# Altium PCB LimeSDR-XTRX_1v4.PcbDoc (part 1 of 8) (continued)
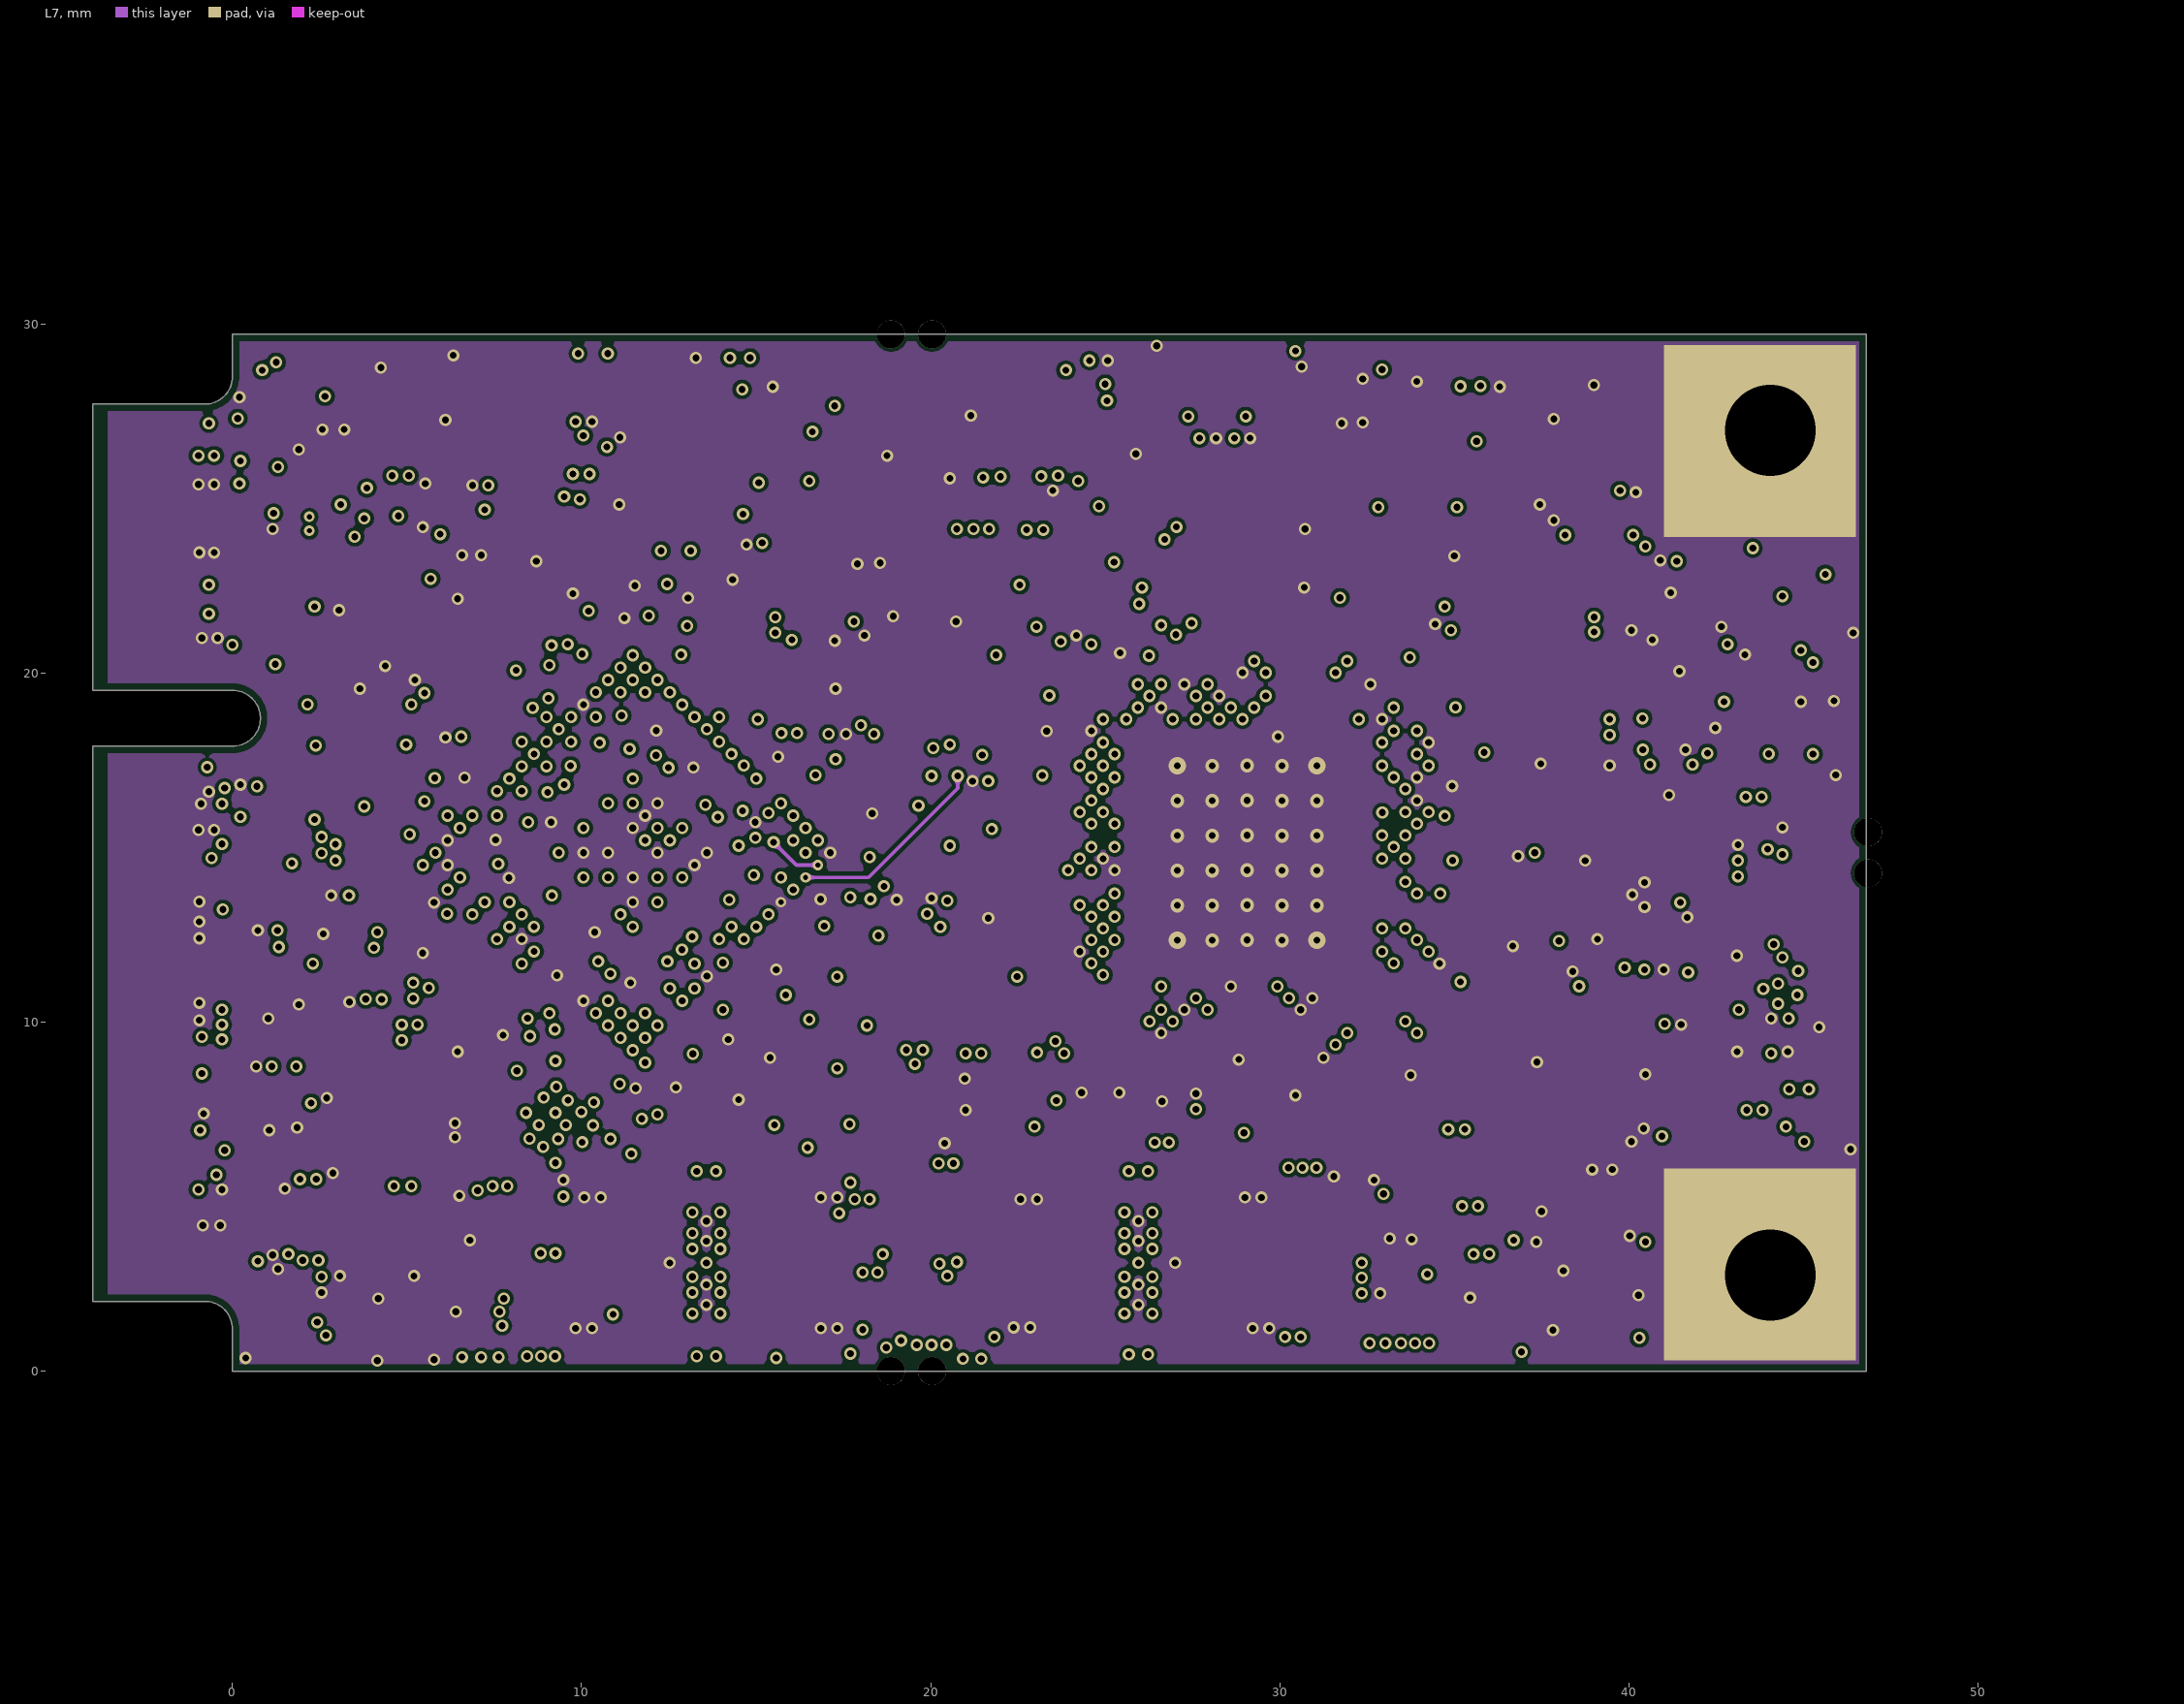
[diagram p7: L7]

## Layer stack, top to bottom
TopSolder: solder mask 0.0102, Solder Resist, Dk 3.5
Top: signal copper 0.0178
Dielectric1: core 0.1, FR-4, Dk 4.8
L2: signal copper 0.0356
Dielectric2: prepreg 0.1, FR-4, Dk 4.2
L3: signal copper 0.03
Dielectric3: core 0.1, FR-4, Dk 4.2
L4: signal copper 0.034
Dielectric 4: prepreg 0.1, Dk 4.2
L5: signal copper 0.03
Dielectric 10: core 0.1, Dk 4.2
L6: signal copper 0.03
Dielectric 11: prepreg 0.1, Dk 4.2
L7: signal copper 0.03
Dielectric 8: core 0.1, Dk 4.2
Bottom: signal copper 0.0178
BottomSolder: solder mask 0.0102, Solder Resist, Dk 3.5

## Board outline
-4,2 -4,17.9 0,17.9 ccw(c0,18.7) 0,19.5 -4,19.5 -4,27.7 -0.8,27.7 ccw(c-0.8,28.5) 0,28.5 0,29.7 46.8,29.7 46.8,0 0,0 0,1.2 ccw(c-0.8,1.2) -0.8,2

## Design rules (kind name [scope] priority, off if disabled: settings)
BoardOutlineClearance [All] p1: gap=0.2 ignorepadtopadclearanceinfootprint=FALSE
Clearance Clearance_FPGA_fanout [WithinRoom('FPGA_fanout')] p1: gap=0.076 ignorepadtopadclearanceinfootprint=FALSE
Clearance [All] p2: gap=0.1 ignorepadtopadclearanceinfootprint=FALSE
ComponentClearance ComponentClearance_MiniPCIE [HasFootprint('PCIe_MiniCard')] p1: gap=-1 collisioncheckmode=3 verticalgap=2540 showdistances=FALSE
ComponentClearance ComponentClearance_DIODE [HasFootprint('MAX40200ANS+_IDEAL_DIODE_4WLP') vs HasFootprint('SOT23-5_v1')] p2: gap=-1 collisioncheckmode=3 verticalgap=2540 showdistances=FALSE
ComponentClearance ComponentClearance_CLK_RES [InComponent('R63') or InComponent('R66') vs InComponent('R63') or InComponent('R66')] p3: gap=-1 collisioncheckmode=3 verticalgap=2540 showdistances=FALSE
ComponentClearance ComponentClearance_RF_SHIELD [InComponent('MECH*') or InComponent('J3')] p4: gap=-10 collisioncheckmode=3 verticalgap=2540 showdistances=FALSE
ComponentClearance [All] p5: gap=0.01 collisioncheckmode=3 verticalgap=0.254 showdistances=FALSE
DiffPairsRouting DiffPairsRouting_USB3 [InNetClass('FX3_DATA')] p1: maxlimit=0.3 minlimit=0.1 mostfreqgap=0.14 toplayer_minwidth=0.2 toplayer_maxwidth=0.2 toplayer_prefwidth=0.2 midlayer1_minwidth=0.2 midlayer1_maxwidth=0.2 midlayer1_prefwidth=0.2 midlayer2_minwidth=0.2 midlayer2_maxwidth=0.2 midlayer2_prefwidth=0.2 midlayer3_minwidth=0.2 midlayer3_maxwidth=0.2 midlayer3_prefwidth=0.2 midlayer4_minwidth=0.2 midlayer4_maxwidth=0.2 midlayer4_prefwidth=0.2 midlayer7_minwidth=0.2 midlayer7_maxwidth=0.2 midlayer7_prefwidth=0.2 midlayer9_minwidth=0.2 midlayer9_maxwidth=0.2 midlayer9_prefwidth=0.2 bottomlayer_minwidth=0.2 bottomlayer_maxwidth=0.2 bottomlayer_prefwidth=0.2 maxuncoupledlength=12.7
DiffPairsRouting DiffPairsRouting_USB3_XTAL [InNet('FX3_XTAL_N') or InNet('FX3_XTAL_P')] p2: maxlimit=0.2 minlimit=0.1 mostfreqgap=0.1 toplayer_minwidth=0.1 toplayer_maxwidth=0.4 toplayer_prefwidth=0.1 midlayer1_minwidth=0.1 midlayer1_maxwidth=0.4 midlayer1_prefwidth=0.1 midlayer2_minwidth=0.1 midlayer2_maxwidth=0.4 midlayer2_prefwidth=0.1 midlayer3_minwidth=0.1 midlayer3_maxwidth=0.4 midlayer3_prefwidth=0.1 midlayer4_minwidth=0.1 midlayer4_maxwidth=0.4 midlayer4_prefwidth=0.1 midlayer7_minwidth=0.1 midlayer7_maxwidth=0.4 midlayer7_prefwidth=0.1 midlayer9_minwidth=0.1 midlayer9_maxwidth=0.4 midlayer9_prefwidth=0.1 bottomlayer_minwidth=0.1 bottomlayer_maxwidth=0.4 bottomlayer_prefwidth=0.1 maxuncoupledlength=0.2
DiffPairsRouting DiffPairsRouting_TX_RF [InNetClass('TX_RF')] p3: maxlimit=0.14 minlimit=0.1 mostfreqgap=0.1 toplayer_minwidth=0.1 toplayer_maxwidth=0.2 toplayer_prefwidth=0.1 midlayer1_minwidth=0.1 midlayer1_maxwidth=0.2 midlayer1_prefwidth=0.1 midlayer2_minwidth=0.1 midlayer2_maxwidth=0.2 midlayer2_prefwidth=0.1 midlayer3_minwidth=0.1 midlayer3_maxwidth=0.2 midlayer3_prefwidth=0.1 midlayer4_minwidth=0.1 midlayer4_maxwidth=0.2 midlayer4_prefwidth=0.1 midlayer7_minwidth=0.1 midlayer7_maxwidth=0.2 midlayer7_prefwidth=0.1 midlayer9_minwidth=0.1 midlayer9_maxwidth=0.2 midlayer9_prefwidth=0.1 bottomlayer_minwidth=0.1 bottomlayer_maxwidth=0.2 bottomlayer_prefwidth=0.1 maxuncoupledlength=0.2
DiffPairsRouting DiffPairsRouting_RX_RF [InNetClass('RX_RF')] p4: maxlimit=0.3 minlimit=0.1 mostfreqgap=0.1 toplayer_minwidth=0.1 toplayer_maxwidth=0.3 toplayer_prefwidth=0.1 midlayer1_minwidth=0.1 midlayer1_maxwidth=0.3 midlayer1_prefwidth=0.1 midlayer2_minwidth=0.1 midlayer2_maxwidth=0.3 midlayer2_prefwidth=0.1 midlayer3_minwidth=0.1 midlayer3_maxwidth=0.3 midlayer3_prefwidth=0.1 midlayer4_minwidth=0.1 midlayer4_maxwidth=0.3 midlayer4_prefwidth=0.1 midlayer7_minwidth=0.1 midlayer7_maxwidth=0.3 midlayer7_prefwidth=0.1 midlayer9_minwidth=0.1 midlayer9_maxwidth=0.3 midlayer9_prefwidth=0.1 bottomlayer_minwidth=0.1 bottomlayer_maxwidth=0.3 bottomlayer_prefwidth=0.1 maxuncoupledlength=0.2
DiffPairsRouting [All] p5: maxlimit=0.3 minlimit=0.1 mostfreqgap=0.1 toplayer_minwidth=0.1 toplayer_maxwidth=0.5 toplayer_prefwidth=0.2 midlayer1_minwidth=0.1 midlayer1_maxwidth=0.5 midlayer1_prefwidth=0.2 midlayer2_minwidth=0.1 midlayer2_maxwidth=0.5 midlayer2_prefwidth=0.2 midlayer3_minwidth=0.1 midlayer3_maxwidth=0.5 midlayer3_prefwidth=0.2 midlayer4_minwidth=0.1 midlayer4_maxwidth=0.5 midlayer4_prefwidth=0.2 midlayer7_minwidth=0.1 midlayer7_maxwidth=0.5 midlayer7_prefwidth=0.2 midlayer9_minwidth=0.1 midlayer9_maxwidth=0.5 midlayer9_prefwidth=0.2 bottomlayer_minwidth=0.1 bottomlayer_maxwidth=0.5 bottomlayer_prefwidth=0.2 maxuncoupledlength=12.7
FabricationTestPointUsage TestPointUsage [All] p1: valid=0 allowmultiple=FALSE
FabricationTestpoint Testpoint [All] p1: side=3 testpointundercomponent=TRUE minsize=1.016 maxsize=2.54 preferedsize=1.524 minholesize=0.508 maxholesize=1.016 preferedholesize=0.813 testpointgrid=0.025 allowsidetop=TRUE allowsidebottom=TRUE usegrid=TRUE gridtolerance=0
HoleSize [All] p1: absolutevalues=TRUE maxlimit=10 minlimit=0.15 maxpercent=80.000 minpercent=20.000
HoleToHoleClearance [All] p1: gap=0.15 allowstackedmicrovias=TRUE
MatchedLengths MatchedLengths_FT_FIFO [InNetClass('FT_FIFO')] p1: tolerance=5 checknetsindiffpair=FALSE checkdiffpairvsdiffpair=TRUE checkxsignals=TRUE checkothers=TRUE
MatchedLengths MatchedLengths_LMS_PORT1 [InNetClass('LMS_PORT1')] p2: tolerance=7 checknetsindiffpair=FALSE checkdiffpairvsdiffpair=TRUE checkxsignals=TRUE checkothers=TRUE // tolerance increased due to MCLK being longer
MatchedLengths MatchedLengths_LMS_PORT2 [InNetClass('LMS_PORT2')] p3: tolerance=7.5 checknetsindiffpair=FALSE checkdiffpairvsdiffpair=TRUE checkxsignals=TRUE checkothers=TRUE // tolerance increased due to MCLK being longer
MinimumSolderMaskSliver [All] p1: minsoldermaskwidth=0.05
PlaneClearance [All] p1: clearance=0
PolygonConnect PolygonConnect_VCC3P3 [InNet('VCC3P3')] p1: connectstyle=Direct reliefconductorwidth=0.254 reliefentries=4 polygonreliefangle="90 Angle" airgapwidth=0.254
PolygonConnect PolygonConnect_GND_VIA [InNet('GND') and isvia] p2: connectstyle=Direct reliefconductorwidth=0.254 reliefentries=4 polygonreliefangle="90 Angle" airgapwidth=0.254
PolygonConnect PolygonConnect_GND_MMCX [HasFootprint('MMCX_UFL_CONN_V3_M') and IsPad and InNet('GND')] p3: connectstyle=Relief reliefconductorwidth=0.7 reliefentries=4 polygonreliefangle="90 Angle" airgapwidth=0.254
PolygonConnect PolygonConnect_GND [InNet('GND') and (OnTopLayer or OnBottomLayer)] p4: connectstyle=Relief reliefconductorwidth=0.254 reliefentries=4 polygonreliefangle="90 Angle" airgapwidth=0.254
PolygonConnect PolygonConnect_GND_inner [InNet('GND') and not (OnTopLayer or OnBottomLayer)] p5: connectstyle=Direct reliefconductorwidth=0.254 reliefentries=4 polygonreliefangle="90 Angle" airgapwidth=0.254
PolygonConnect PolygonConnect_VCC1P0_INT [InNet('VCC1P0_INT')] p6: connectstyle=Direct reliefconductorwidth=0.254 reliefentries=4 polygonreliefangle="90 Angle" airgapwidth=0.254
PolygonConnect PolygonConnect_2P05 [InNet('+2.05V')] p7: connectstyle=Direct reliefconductorwidth=0.254 reliefentries=4 polygonreliefangle="90 Angle" airgapwidth=0.254
PolygonConnect PolygonConnect_1P5 [InNet('+1.5V')] p8: connectstyle=Direct reliefconductorwidth=0.254 reliefentries=4 polygonreliefangle="90 Angle" airgapwidth=0.254
PolygonConnect PolygonConnect_VCC1P2_MGTAVTT [InNet('VCC1P2_MGTAVTT')] p9: connectstyle=Direct reliefconductorwidth=0.254 reliefentries=4 polygonreliefangle="90 Angle" airgapwidth=0.254
PolygonConnect PolygonConnect_VCC1P8 [InNet('VCC1P8')] p10: connectstyle=Direct reliefconductorwidth=0.254 reliefentries=4 polygonreliefangle="90 Angle" airgapwidth=0.254
PolygonConnect PolygonConnect_VCC1P8_LMS [InNet('VCC1P8_LMS')] p11: connectstyle=Direct reliefconductorwidth=0.254 reliefentries=4 polygonreliefangle="90 Angle" airgapwidth=0.254
PolygonConnect PolygonConnect_VDIO_LMS [InNet('VDIO_LMS')] p12: connectstyle=Direct reliefconductorwidth=0.254 reliefentries=4 polygonreliefangle="90 Angle" airgapwidth=0.254
PolygonConnect PolygonConnect_VDIO_LMS_FPGA [InNet('VDIO_LMS_FPGA')] p13: connectstyle=Direct reliefconductorwidth=0.254 reliefentries=4 polygonreliefangle="90 Angle" airgapwidth=0.254
PolygonConnect [All] p14: connectstyle=Relief reliefconductorwidth=0.254 reliefentries=4 polygonreliefangle="90 Angle" airgapwidth=0.254
RoutingVias [All] p1: holewidth=0.2 width=0.4 viastyle="Through Hole" minholewidth=0.15 minwidth=0.3 maxholewidth=4.5 maxwidth=5
SilkToSilkClearance [All] p1: silktosilkclearance=0.1
SilkToSolderMaskClearance SilkscreenOverComponentPads [IsPad] p1: minsilkscreentomaskgap=0.1 clearancetoexposedcopper=TRUE
SolderMaskExpansion [All] p1: expansion=0.05
Width Width_FPGA_fanout [WithinRoom('FPGA_fanout')] p1: maxlimit=5 minlimit=0.076 preferedwidth=0.127
Width Width_ClumsyConnection [All] p2: maxlimit=7 minlimit=0.1 preferedwidth=0.2 checkconnectedcopper=TRUE
Width [All] p3: maxlimit=5 minlimit=0.1 preferedwidth=0.2
20 further rules are at their usual default settings.

## Classes and differential pairs
net class VCC_CLK_SW: VCC_CLK_SW
net class VCC3P3_SW: VCC3P3_SW
net class VCC3P3_RF: VCC3P3_RF
net class VCC3P3_LMK: VCC3P3_LMK
net class VCC3P3_LMKRF: VCC1P8_LMK_VDDO
net class VCC3P3_LMK_VDDO: VCC3P3_LMK_VDDO
component class 10_Clock: C155 C156 C157 C159 C161 C165 C166 C168 C172 C173 C181 C184 C185 C192 C193 C194 C195 C196 C197 C198 C199 C200 C201 ESD6 ESD7 FR39 FR42 FR48 FR53 IC8 IC17 R1 R66 R67 R68 R69 R70 R71 R73 R74 R149 R151 R152 R153 R154 R155 X7 X14 XO1
net class +2.05V: +2.05V
net class VCC1P8: VCC1P8
net class SIM_CARD: UIM_CLK UIM_DIO UIM_RST UIM_VCC
net class VCC_CLK: VCC_CLK
net class VCC5P0_USB: VCC5P0_USB
net class VCC3P3: VCC3P3
net class VCC3P3_MPCIE: VCC3P3_MPCIE
net class VCC1P8_AUX: VCC1P8_AUX
net class VCC1P2_MGTAVTT: VCC1P2_MGTAVTT
net class VCC1P0_MGTAVCC: VCC1P0_MGTAVCC
net class VCC1P0_INT: VCC1P0_INT
net class +1.75V: +1.75V
net class +1.5V: +1.5V
net class BOM_VER: BOM_VER0 BOM_VER1 BOM_VER2
net class VCC3P3_CLK: VCC3P3_CLK
net class SIM_host: SIM_CLK SIM_DIO SIM_ENA SIM_MOD SIM_RST
net class USB_ULPI: NetIC19_E5 USB_26M USB_CLK USB_D0 USB_D1 USB_D2 USB_D3 USB_D4 USB_D5 USB_D6 USB_D7 USB_DIR USB_NRST USB_NXT USB_STP
component class 09_Misc: C158 C162 C163 C164 C167 C169 C170 C171 C174 C179 C180 C182 C183 C186 C187 C188 C189 C190 C191 ESD5 ESD8 F1 F2 F3 F4 F5 F6 F7 F8 FL1 FL2 FR36 FR37 FR38 FR40 FR41 IC9 IC11 IC13 IC16 IC18 IC19 IC20 L1 LED1 LED2 MECH1 MECH2 R52 R53 R54 R55 R72 R75 R76 R77 R78 R80 R81 R82 R83 R84 R85 R86 R87 R89 R91 R92 R93 R94 R95 R96 R97 R98 R99 R100 R101 R102 R103 R104 X5 X6 X10 X11 X12
component class 11_Power: C175 C176 C177 C178 C202 C203 C204 C205 C206 C207 C208 C209 C210 C211 C212 C213 C214 C215 C216 C217 C218 C219 C220 C221 C222 C223 C224 C225 C226 C227 C228 C229 C230 C231 C232 C233 FR43 FR44 FR45 FR46 FR47 FR49 FR50 FR51 FR52 FR54 IC21 IC22 IC23 IC24 IC25 IC26 IC27 IC28 IC29 IC30 IC31 IC32 IC33 L2 L3 L4 L5 L6 L7 L8 L9 R105 R106 R107 R108 R109 R110 R111 R112 R113 R114 R115 R116 R117 R118 R119 R120 R121 R122 R123 R124 R125 R126 R198 R199 R201 R202
net class USB: USB_D_N USB_D_P
net class PCIe: C0_N C0_P PCI_REF_CLK1_N PCI_REF_CLK1_P PCIE_REF_CLK_N PCIE_REF_CLK_P PCIE_RX0_N PCIE_RX0_P PCIE_RX1_N PCIE_RX1_P PCIE_TX0_N PCIE_TX0_P PCIE_TX1_N PCIE_TX1_P R0_N R0_P R1_N R1_P T0_N T0_P T1_N T1_P
component class 08_FPGA: C95 C96 C97 C98 C99 C100 C101 C102 C103 C104 C105 C106 C107 C108 C109 C110 C111 C112 C113 C114 C115 C116 C117 C118 C119 C120 C121 C122 C123 C124 C125 C126 C127 C128 C129 C130 C131 C132 C133 C134 C135 C136 C137 C138 C139 C140 C141 C142 C143 C144 C145 C146 C147 C148 C149 C150 C151 C152 C153 C154 IC7 R34 R35 R36 R37 R38 R39 R40 R41 R42 R43 R44 R45 R46 R47 R48 R49 R50 R51 TP1 TP2 TP3 X9
net class VDIO_LMS: VDIO_LMS
net class VCC1P8_LMS: VCC1P8_LMS
net class RF_RX: RX1_H RX1_H_A_N RX1_H_A_P RX1_H_B_N RX1_H_B_P RX1_L RX1_L_A_N RX1_L_A_P RX1_L_B_N RX1_L_B_P RX1_W RX1_W_A_N RX1_W_A_P RX1_W_B_N RX1_W_B_P RX2_H RX2_H_A_N RX2_H_A_P RX2_H_B_N RX2_H_B_P RX2_L RX2_L_A_N RX2_L_A_P RX2_L_B_N RX2_L_B_P RX2_W RX2_W_A_N RX2_W_A_P RX2_W_B_N RX2_W_B_P
net class RF_TX: TX1_1 TX1_1_A_N TX1_1_A_P TX1_1_B_N TX1_1_B_P TX1_2 TX1_2_A_N TX1_2_A_P TX1_2_B_N TX1_2_B_P TX2_1 TX2_1_A_N TX2_1_A_P TX2_1_B_N TX2_1_B_P TX2_2 TX2_2_A_N TX2_2_A_P TX2_2_B_N TX2_2_B_P
component class 07_LMS7002M_Power: C35 C36 C37 C38 C39 C40 C41 C42 C43 C44 C45 C46 C47 C48 C49 C50 C51 C52 C53 C54 C55 C56 C57 C58 C59 C60 C61 C62 C63 C64 C65 C66 C67 C68 C69 C70 C71 C72 C73 C74 C75 C76 C77 C78 C79 C80 C81 C82 C83 C84 C85 C86 C87 C88 C89 C90 C91 C92 C93 C94 FR5 FR6 FR7 FR8 FR9 FR10 FR11 FR12 FR13 FR14 FR15 FR16 FR17 FR18 FR19 FR20 FR21 FR22 FR23 FR24 FR25 FR26 FR27 FR28 FR29 FR30 FR31 FR32 FR33 FR34 FR35 FR55 R27 R28 R29 R30 R31 R32 R33
component class 06_LMS7002M_RF: C3 C4 C5 C6 C7 C8 C9 C10 C11 C12 C13 C14 C15 C16 C17 C18 C19 C20 C21 C22 C23 C24 C25 C26 C27 C28 C29 C30 C31 C32 C33 C34 ESD1 ESD2 ESD3 ESD4 FR1 FR2 FR3 FR4 IC3 IC4 IC5 IC6 MN1 MN2 MN3 MN4 MN5 MN6 MN7 MN8 MN9 MN10 MN11 MN12 MN13 MN14 MN15 MN16 MN17 MN18 MN19 MN20 MN21 MN22 MN23 MN24 MN25 MN26 MN27 MN28 MN29 MN30 MN31 MN32 MN33 MN34 MN35 MN36 MN37 MN38 MN39 MN40 MN41 MN42 MN43 MN44 MN45 MN46 MN47 MN48 MN49 MN50 MN51 MN52 MN53 MN54 MN100 MN101 MN102 MN103 R21 R22 R23 R24 R25 R26 T1 T2 T3 T4 T5 T6 T7 T8 T9 T10 X1 X2 X3 X4
net class CLK_PATH: CLK_IN CLK_IN_EXT CLK_XO FPGA_CLK GND LMK_CLKOUT1 LMK_CLKOUT4 LMS_RxPLL_CLK LMS_TxPLL_CLK NetC155_1 NetC156_2 NetC161_1 NetC281_1 NetIC8_17 NetIC8_18 PCIE_CLK_IN
component class 05_LMS7002M_Misc: C1 C2 IC1 IC2 R2 R3 R4 R5 R6 R7 R8 R9 R10 R11 R12 R13 R14 R15 R16 R17 R18 R19 R20 X8 X13
net class LMS_PORT1: LMS_DIQ1_D0 LMS_DIQ1_D1 LMS_DIQ1_D2 LMS_DIQ1_D3 LMS_DIQ1_D4 LMS_DIQ1_D5 LMS_DIQ1_D6 LMS_DIQ1_D7 LMS_DIQ1_D8 LMS_DIQ1_D9 LMS_DIQ1_D10 LMS_DIQ1_D11 LMS_EN_IQSEL1 LMS_FCLK1 LMS_MCLK1 LMS_TXNRX1
net class LMS_PORT2: LMS_DIQ2_D0 LMS_DIQ2_D1 LMS_DIQ2_D2 LMS_DIQ2_D3 LMS_DIQ2_D4 LMS_DIQ2_D5 LMS_DIQ2_D6 LMS_DIQ2_D7 LMS_DIQ2_D8 LMS_DIQ2_D9 LMS_DIQ2_D10 LMS_DIQ2_D11 LMS_EN_IQSEL2 LMS_FCLK2 LMS_MCLK2 LMS_TXNRX2
net class FPGA_SPI_LMS: FPGA_SPI_LMS_SS FPGA_SPI_MISO FPGA_SPI_MOSI FPGA_SPI_SCLK NetC2_2 NetIC1_D28 NetIC1_F28 NetIC1_F30
net class LMS_I2C: LMS_I2C_SCL LMS_I2C_SDA
net class RF_CTRL: TX_SW_DIV
net class VCC1P4_LMS: VCC1P4_LMS
net class VCC1P25_LMS: VCC1P25_LMS
differential pair PCIE_TX1: +PCIE_TX1_P -PCIE_TX1_N
differential pair PCIE_TX0: +PCIE_TX0_P -PCIE_TX0_N
differential pair PCIE_RX1: +PCIE_RX1_P -PCIE_RX1_N
differential pair PCIE_RX0: +PCIE_RX0_P -PCIE_RX0_N
differential pair PCIE_REF_CLK: +PCIE_REF_CLK_P -PCIE_REF_CLK_N
differential pair PCI_REF_CLK1: +PCI_REF_CLK1_P -PCI_REF_CLK1_N
differential pair DAC2Q: +DAC2I_P -DAC2I_N
differential pair DAC2I: +DAC2Q_P -DAC2Q_N
differential pair DAC1Q: +DAC1I_P -DAC1I_N
differential pair DAC1I: +DAC1Q_P -DAC1Q_N
differential pair ADC2Q: +ADC2Q_P -ADC2Q_N
differential pair ADC2I: +ADC2I_P -ADC2I_N
differential pair ADC1Q: +ADC1Q_P -ADC1Q_N
differential pair ADC1I: +ADC1I_P -ADC1I_N
differential pair RX1_L_A: +RX1_L_A_P -RX1_L_A_N
differential pair TX2_1_B: +TX2_1_B_P -TX2_1_B_N
differential pair TX1_2_B: +TX1_2_B_P -TX1_2_B_N
differential pair TX1_2_A: +TX1_2_A_P -TX1_2_A_N
differential pair TX2_2_B: +TX2_2_B_P -TX2_2_B_N
differential pair TX2_2_A: +TX2_2_A_P -TX2_2_A_N
differential pair RX2_W_B: +RX2_W_B_P -RX2_W_B_N
differential pair RX1_L_B: +RX1_L_B_P -RX1_L_B_N
differential pair RX2_W_A: +RX2_W_A_P -RX2_W_A_N
differential pair RX2_L_B: +RX2_L_B_P -RX2_L_B_N
differential pair RX2_L_A: +RX2_L_A_P -RX2_L_A_N
differential pair RX2_H_B: +RX2_H_B_P -RX2_H_B_N
differential pair RX2_H_A: +RX2_H_A_P -RX2_H_A_N
differential pair RX1_W_B: +RX1_W_B_P -RX1_W_B_N
differential pair T1: +T1_P -T1_N
differential pair T0: +T0_P -T0_N
differential pair R1: +R1_P -R1_N
differential pair R0: +R0_P -R0_N
differential pair C0: +C0_P -C0_N
differential pair TDD_GPIO3: +TDD_GPIO3_P -TDD_GPIO3_N
differential pair GPIO11: +GPIO11_P -GPIO11_N
differential pair GPIO9: +GPIO9_P -GPIO9_N
differential pair RX1_W_A: +RX1_W_A_P -RX1_W_A_N
differential pair TX2_1_A: +TX2_1_A_P -TX2_1_A_N
differential pair TX1_1_B: +TX1_1_B_P -TX1_1_B_N
differential pair TX1_1_A: +TX1_1_A_P -TX1_1_A_N
differential pair RX1_H_B: +RX1_H_B_P -RX1_H_B_N
differential pair RX1_H_A: +RX1_H_A_P -RX1_H_A_N
differential pair USB_D: +USB_D_P -USB_D_N

## Components (designator, comment, footprint, x,y, rotation, side; value= is the part's Value field where it differs from the comment)
C1 "1uF, 6.3V" CAP0201 34.375,2.25 r270 top value="1uF, 20%"
C2 "22pF, 50V" CAP0201 22.05,21.225 r0 bottom
C3 "100pF, 50V" CAP0201 36.8,21.95 r270 bottom
C4 "100pF, 50V" CAP0201 32.07,23.6 r0 bottom
C5 "100pF, 50V" CAP0201 36.775,18.175 r90 bottom
C6 "100nF, 10V" CAP0201 37.45,21.95 r90 bottom
C7 "100pF, 50V" CAP0201 35.83,23.6 r180 bottom
C8 "100nF, 10V" CAP0201 32.07,24.25 r180 bottom
C9 "100nF, 10V" CAP0201 37.425,18.175 r270 bottom
C10 "100nF, 10V" CAP0201 35.83,24.25 r0 bottom
C11 "100pF, 50V" CAP0201 39.9,18.2 r90 bottom
C12 "100pF, 50V" CAP0201 38.725,22.55 r270 bottom
C13 "100pF, 50V" CAP0201 26.15,25.95 r0 bottom
C14 "100pF, 50V" CAP0201 30.25,25.95 r180 bottom
C15 "100nF, 10V" CAP0201 39.025,18.2 r270 bottom
C16 "100nF, 10V" CAP0201 39.375,22.55 r90 bottom
C17 "100nF, 10V" CAP0201 30.25,26.6 r0 bottom
C18 "100nF, 10V" CAP0201 26.15,26.6 r180 bottom
C19 "1nF, 25V" CAP0201 35.85,5.35 r90 top
C20 "1nF, 25V" CAP0201 35.175,5.35 r90 top
C21 "510pF, 50V" CAP0402#1 34.925,23.95 r0 top
C22 "510pF, 50V" CAP0402#1 39.9,5.225 r0 top
C23 "510pF, 50V" CAP0402#2 35.677,4.2 r0 bottom
C24 "510pF, 50V" CAP0402#2 39.75,26.2 r90 bottom
C25 "1nF, 25V" CAP0201 43.02,23.255 r90 bottom
C26 "1nF, 25V" CAP0201 36.1,26.45 r270 bottom
C27 "100nF, 10V" CAP0201 44.425,23.1 r270 bottom
C28 "100nF, 10V" CAP0201 36.125,27.605 r90 bottom
C29 "1nF, 25V" CAP0201 42.4,10.525 r180 top
C30 "1nF, 25V" CAP0201 43.5,10.525 r0 top
C31 "1nF, 25V" CAP0201 39.599,11.91 r180 bottom
C32 "1nF, 25V" CAP0201 40.725,11.85 r0 bottom
C33 "100nF, 10V" CAP0201 44.55,9.6 r270 top
C34 "100nF, 10V" CAP0201 41.675,12.325 r90 bottom
C35 "1uF, 6.3V" CAP0201 24.6,16.25 r90 top value="1uF, 20%"
C36 "1nF, 25V" CAP0201 23.785,15.958 r90 top
C37 "1uF, 6.3V" CAP0201 26.524,18.221 r270 top value="1uF, 20%"
C38 "1uF, 6.3V" CAP0201 28.8,21.655 r90 top value="1uF, 20%"
C39 "1uF, 6.3V" CAP0201 26.397,19.315 r270 top value="1uF, 20%"
C40 "1uF, 6.3V" CAP0201 33.022,16.265 r90 top value="1uF, 20%"
C41 "1uF, 6.3V" CAP0201 28.306,10.675 r0 top value="1uF, 20%"
C42 "1uF, 6.3V" CAP0201 22.83,17.349 r90 top value="1uF, 20%"
C43 "1nF, 25V" CAP0201 23.564,17.349 r90 top
C44 "1uF, 6.3V" CAP0201 26.027,12.785 r0 top value="1uF, 20%"
C45 "1nF, 25V" CAP0201 26.027,12.015 r0 top
C46 "1uF, 6.3V" CAP0201 26.027,14.31 r0 top value="1uF, 20%"
C47 "1nF, 25V" CAP0201 26.027,13.54 r0 top
C48 "1uF, 6.3V" CAP0201 33.475,18.175 r270 top value="1uF, 20%"
C49 "1uF, 6.3V" CAP0201 34.022,15.94 r45 top value="1uF, 20%"
C50 "1uF, 6.3V" CAP0201 32.3,19.225 r90 top value="1uF, 20%"
C51 "1uF, 6.3V" CAP0201 30.7,21.875 r90 top value="1uF, 20%"
C52 "1nF, 25V" CAP0201 28.855,18.18 r0 top
C53 "1uF, 6.3V" CAP0201 28.855,17.528 r0 top value="1uF, 20%"
C54 "1uF, 6.3V" CAP0201 27.7,18.05 r0 top value="1uF, 20%"
C55 "1uF, 6.3V" CAP0201 26.922,10.69 r315 top value="1uF, 20%"
C56 "1uF, 6.3V" CAP0201 24.595,8.4 r180 bottom value="1uF, 20%"
C57 "1uF, 6.3V" CAP0201 25.695,8.4 r180 bottom value="1uF, 20%"
C58 "1uF, 6.3V" CAP0201 26.795,8.4 r180 bottom value="1uF, 20%"
C59 "1uF, 6.3V" CAP0201 30.075,8.4 r0 bottom value="1uF, 20%"
C60 "1uF, 6.3V" CAP0201 33.8,11.5 r0 top value="1uF, 20%"
C61 "1uF, 6.3V" CAP0201 32.5,13.15 r270 top value="1uF, 20%"
C62 "1uF, 6.3V" CAP0201 34.725,17.3 r270 top value="1uF, 20%"
C63 "1uF, 6.3V" CAP0201 32.422,17.315 r270 top value="1uF, 20%"
C64 "1uF, 6.3V" CAP0201 24.175,7.45 r270 bottom value="1uF, 20%"
C65 "1uF, 6.3V" CAP0201 36,16.875 r90 bottom value="1uF, 20%"
C66 "1nF, 25V" CAP0201 28.189,19.975 r0 top
C67 "1uF, 6.3V" CAP0201 28.189,20.625 r0 top value="1uF, 20%"
C68 "1uF, 6.3V" CAP0201 32.197,12.24 r180 top value="1uF, 20%"
C69 "1uF, 6.3V" CAP0201 33.175,13.4 r90 top value="1uF, 20%"